# Altium PCB PCB.PcbDoc
Units mil, origin at the board's own origin, x right, y up, seen from the top; angles counter-clockwise.
Board outline 3385.83 x 3385.83 mil, 2 copper layers (Top Layer, Bottom Layer); 48 components, 70 nets, 266 pads, 0 vias.
Unrouted connection lines stored in the file: 172.
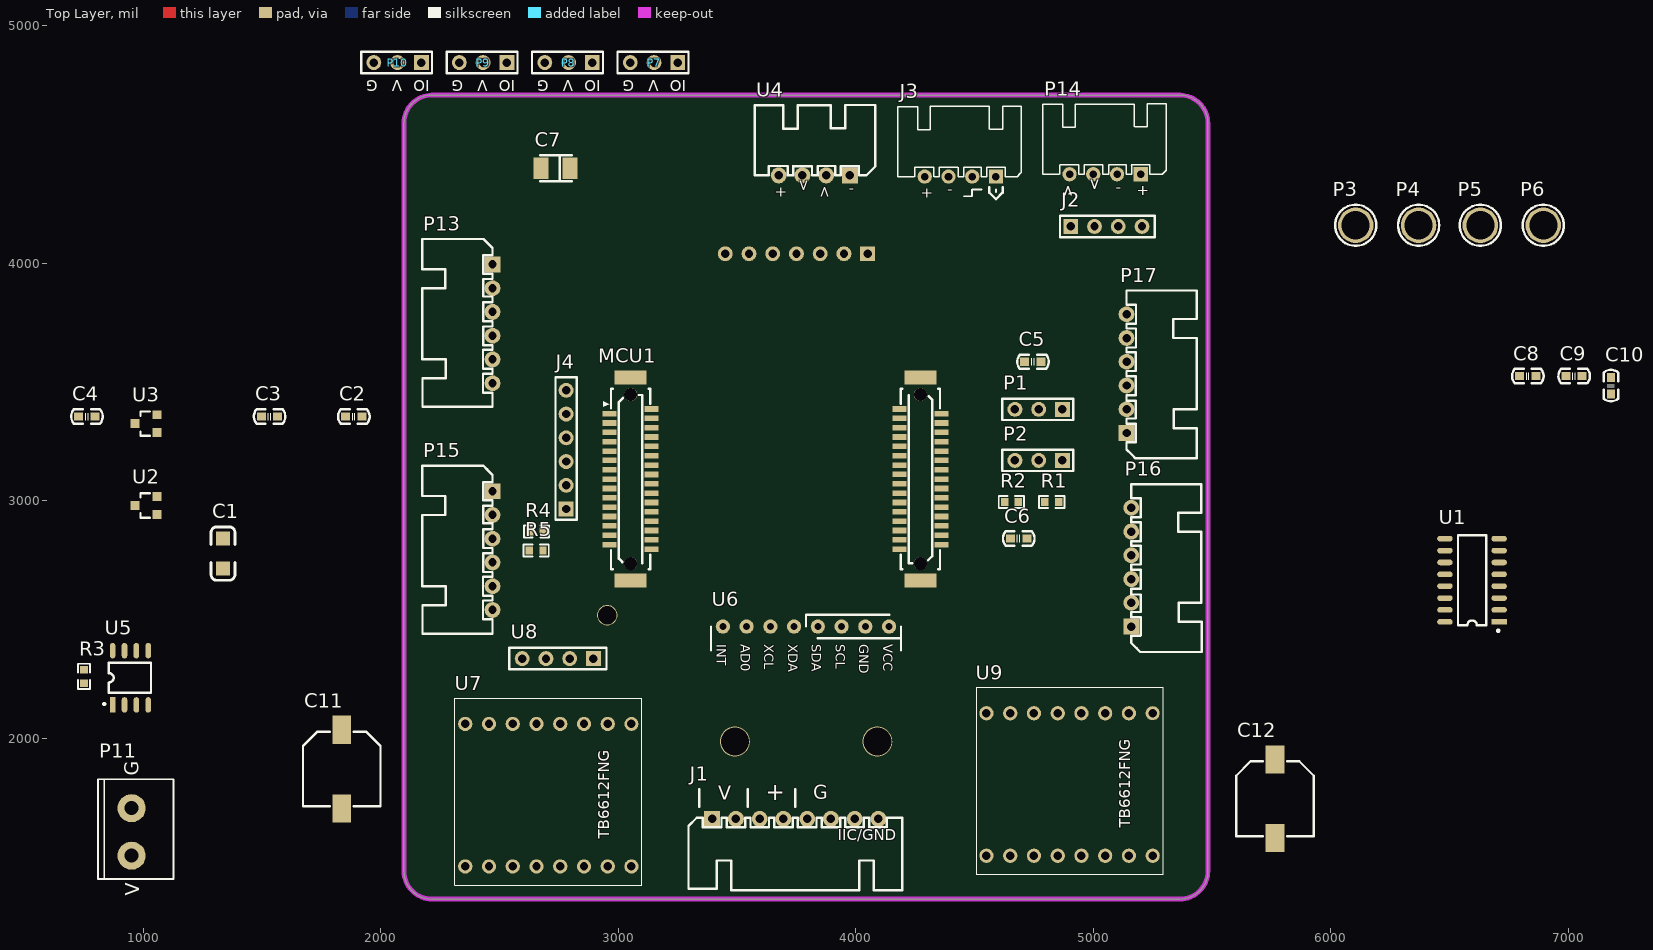
[diagram p0: Top Layer view]
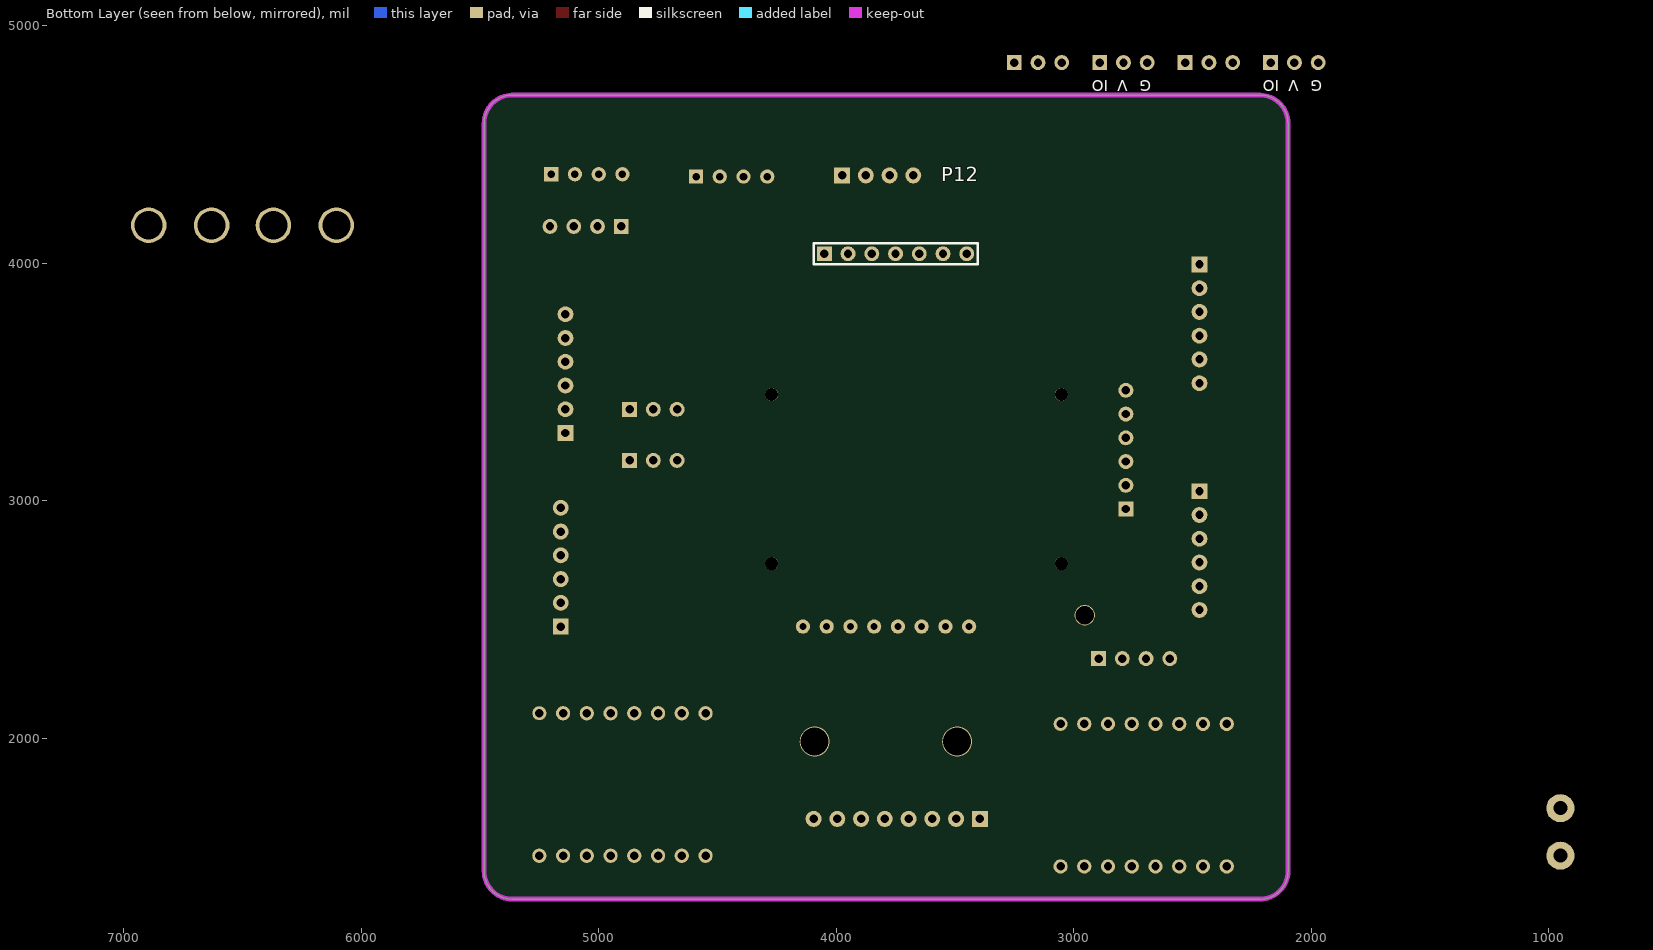
[diagram p1: Bottom Layer view, seen from below]

## Layer stack, top to bottom
Top Solder: solder mask 0.4, Solder Resist, Dk 3.5
Top Layer: signal copper 1.4
Dielectric 1: dielectric 12.6, FR-4, Dk 4.8
Bottom Layer: signal copper 1.4
Bottom Solder: solder mask 0.4, Solder Resist, Dk 3.5

## Board outline
2096.89,1440.39 2096.89,4590 cw(c2215,4590) 2215,4708.11 5364.61,4708.11 cw(c5364.61,4590) 5482.72,4590 5482.72,1440.39 cw(c5364.61,1440.39) 5364.61,1322.28 2215,1322.28 cw(c2215,1440.39)

## Design rules (kind name [scope] priority, off if disabled: settings)
Clearance [All] p1: gap=10 ignorepadtopadclearanceinfootprint=FALSE except(0: Arc-Hole Track-Hole SMDPad-Hole THPad-Hole Via-Hole Fill-Hole Poly-Hole Region-Hole Text-Hole)
PolygonConnect [All] p1: connectstyle=Relief reliefconductorwidth=10 reliefentries=4 polygonreliefangle="90 Angle" airgapwidth=10
RoutingVias [All] p1: holewidth=28 width=50 viastyle="Through Hole" minholewidth=28 minwidth=50 maxholewidth=28 maxwidth=50
SolderMaskExpansion [All] p1: expansion=4 istentingtop=FALSE
Width [All] p1: maxlimit=10 minlimit=10 preferedwidth=10
30 further rules are at their usual default settings.

## Components (designator, comment, footprint, x,y, rotation, side; value= is the part's Value field where it differs from the comment)
C1 "10UF" CAP_1206 1334,2715 r90 top
C2 "100NF" CAP_0603 1851.06,3354.6 r0 top
C3 "100NF" CAP_0603 1496.06,3354.6 r0 top
C4 "100NF" CAP_0603 727.06,3354.6 r0 top
C5 "100NF" CAP_0603 4711,3585 r0 top
C6 "100NF" CAP_0603 4650.98,2840.92 r0 top
C7 "100UF" CAP_3528_B 2735,4400 r0 top
C8 "100NF" CAP_0603 6795,3525 r0 top
C9 "100NF" CAP_0603 6990,3525 r0 top
C10 "100NF" CAP_0603 7180,3450 r90 top
C11 "220UF" CAPE_E 1835,1870 r90 top
C12 "220UF" CAPE_E 5765,1745 r90 top
J1 "Brid_妄想" Brid 3395,1660 r0 top
J2 "IIC" "Header 2.54X4" 5055,4155 r0 top
J3 "IIC" IIC-XH2.54-4PIN 4590,4365 r180 top
J4 "SPI" "Header 2.54X6" 2780,3215 r90 top
MCU1 "Caven_V3.14" Caven_3.14 2952.99,2518.07 r0 top
P1 "Header 3" "Header 2.54X3" 4770,3385 r180 top
P2 "Header 3" "Header 2.54X3" 4770,3170 r180 top
P3 "铜柱6m" M3x6_L-Type 6105,4160 r0 top
P4 "铜柱6m" M3x6_L-Type 6370,4160 r0 top
P5 "铜柱6m" M3x6_L-Type 6630,4160 r0 top
P6 "铜柱6m" M3x6_L-Type 6895,4160 r0 top
P7 "Header3" PWM_Steer-F 3250,4845 r180 top
P8 "Header3" PWM_Steer-B 2890,4845 r180 top
P9 "Header3" PWM_Steer-F 2530,4845 r180 top
P10 "Header3" PWM_Steer-B 2170,4845 r180 top
P11 "OUT" PIN-2_5.08 950,1505 r90 top
P12 "Header 7" "Header H 2.54X7" 3750,4040 r180 bottom
P13 "Header 6" XH2.54-WI-6P 2470,3745 r270 top
P14 "UART" UART 5200,4375 r180 top
P15 "Header 6" XH2.54-WI-6P 2470,2790 r270 top
P16 "Header 6" XH2.54-WI-6P 5160,2720 r90 top
P17 "Header 6" XH2.54-WI-6P 5140,3535 r90 top
R1 "?k" RESC_0603_2 4825,2995 r0 top
R2 "1K" RESC_0603_2 4655,2995 r0 top
R3 "1K" RESC_0603_2 750,2260 r270 top
R4 "1K" RESC_0603_2 2655,2870 r0 top
R5 "1K" RESC_0603_2 2653.74,2790 r180 top
U1 "74HC595" SOIC_16 6595,2665 r90 top
U2 "662K-3.3" SOT23_3 1011.06,2979.93 r0 top
U3 "662K-3.3" SOT23_3 1011.06,3324.6 r0 top
U4 "HC-SR04" Ultrasonic 3975,4370 r180 top
U5 "CAN-SN65HVD233D" SOIC_8 945,2254.17 r0 top
U6 "MPU_6050" MPU-G521 4090.39,1985.75 r180 top
U7 "TB6612FNG_Mod" TB6612FNG 2355,1460 r90 top
U8 "Blue_Tooth 2.0/5.0" "Header F 2.54X4" 2745,2335 r180 top
U9 "TB6612FNG_Mod" TB6612FNG 4550,1505 r90 top

## Footprints (in the part's own frame and the unit in brackets; to place one, negate y for a bottom-side part, rotate by r counter-clockwise, add the part's x,y. Pads: shape width x height; smd on the part's side, far side on the other; paste and mask are expansions set on the pad)
Brid [mm]
  rect 1.7x1.7 hole 0.9: 1(0,0)
  round 1.7 hole 0.9: 2(2.54,0) 3(5.08,0) 4(7.62,0) 5(10.16,0) 6(12.7,0) 7(15.24,0) 8(17.78,0)
  silkscreen extent -2.54,-7.62 20.32,3.17, body extent -2.5,-7.35 20.28,0.35, height 5.75
CAP_0603 [mil]
  rect 38x35 smd: 1(0,0) 2(69,0)
  silkscreen extent -31,-30 101,30, body extent 4,-16 67,16, height 12
CAP_1206 [mil]
  rect 60x60 smd: 1(0,-1) 2(126,-1)
  silkscreen extent -50,-51 175,49, body extent 0,-32 126,31, height 39
CAP_3528_B [mm]
  rect 1.6x2.3 smd: 1(1.55,0) 2(-1.55,0)
  silkscreen extent -1.65,-1.4 1.75,1.4, body extent -1.75,-1.4 1.75,1.4, height 1.9
CAPE_E [mm] "8X8.3X6.2"
  rect 3x2 smd: 1(4.2,0) 2(-4.2,0)
  silkscreen extent -4,-4.15 4,4.15, body extent -4.5,-4.15 4.5,4.15, height 6.2
Caven_3.14 [mm]
  round 2.184 hole 1.981: 0(0,0)
  rect 3.4x1.5 smd: 0(2.5,3.7) 0(2.5,25.4) 0(33.5,3.7) 0(33.5,25.4)
  rect 1.5x0.6 smd: 1(0.25,21.55) 2(0.25,20.55) 3(0.25,19.55) 4(0.25,18.55) 5(0.25,17.55) 6(0.25,16.55) 7(0.25,15.55) 8(0.25,14.55) 9(0.25,13.55) 10(0.25,12.55) 11(0.25,11.55) 12(0.25,10.55) 13(0.25,9.55) 14(0.25,8.55) 15(0.25,7.55) 16(4.75,7.05) 17(4.75,8.05) 18(4.75,9.05) 19(4.75,10.05) 20(4.75,11.05) 21(4.75,12.05) 22(4.75,13.05) 23(4.75,14.05) 24(4.75,15.05) 25(4.75,16.05) 26(4.75,17.05) 27(4.75,18.05) 28(4.75,19.05) 29(4.75,20.05) 30(4.75,21.05) 31(4.75,22.05) 32(31.25,22.05) 33(31.25,21.05) 34(31.25,20.05) 35(31.25,19.05) 36(31.25,18.05) 37(31.25,17.05) 38(31.25,16.05) 39(31.25,15.05) 40(31.25,14.05) 41(31.25,13.05) 42(31.25,12.05) 43(31.25,11.05) 44(31.25,10.05) 45(31.25,9.05) 46(31.25,8.05) 47(31.25,7.05) 48(35.75,7.55) 49(35.75,8.55) 50(35.75,9.55) 51(35.75,10.55) 52(35.75,11.55) 53(35.75,12.55) 54(35.75,13.55) 55(35.75,14.55) 56(35.75,15.55) 57(35.75,16.55) 58(35.75,17.55) 59(35.75,18.55) 60(35.75,19.55) 61(35.75,20.55) 62(35.75,21.55)
  round 1.4 hole 1.4 unplated: ""(2.5,5.5) ""(2.5,23.6) ""(33.5,5.5) ""(33.5,23.6)
  silkscreen extent -0.4,4.9 35.6,24.2, body extent -0.3,3.98 36.3,25.12, height 3.35
"Header 2.54X3" [mm]
  rect 1.6x1.6 hole 0.9: 1(-2.54,0)
  round 1.6 hole 0.9: 2(0,0) 3(2.54,0)
  silkscreen extent -3.68,-1.14 3.9,1.14, body extent -3.68,-1.23 3.94,1.27, height 8.3
"Header 2.54X4" [mm]
  rect 1.6x1.6 hole 0.9: 1(-3.81,0)
  round 1.6 hole 0.9: 2(-1.27,0) 3(1.27,0) 4(3.81,0)
  silkscreen extent -4.95,-1.14 5.19,1.14, body extent -4.95,-1.23 5.21,1.27, height 8.3
"Header 2.54X6" [mm]
  rect 1.6x1.6 hole 0.9: 1(-6.35,0)
  round 1.6 hole 0.9: 2(-3.81,0) 3(-1.27,0) 4(1.27,0) 5(3.81,0) 6(6.35,0)
  silkscreen extent -7.49,-1.14 7.75,1.14, body extent -7.49,-1.23 7.75,1.27, height 8.3
"Header F 2.54X4" [mm]
  rect 1.6x1.6 hole 0.9: 1(-3.81,0)
  round 1.6 hole 0.9: 2(-1.27,0) 3(1.27,0) 4(3.81,0)
  silkscreen extent -5.2,-1.14 5.19,1.14, body extent -5.21,-1.25 5.21,1.25, height 8.6
"Header H 2.54X7" [mm]
  rect 1.6x1.6 hole 0.9: 1(-7.62,0)
  round 1.6 hole 0.9: 2(-5.08,0) 3(-2.54,0) 4(0,0) 5(2.54,0) 6(5.08,0) 7(7.62,0)
  silkscreen extent -8.76,-1.14 8.8,1.14, body extent -8.89,-1.26 8.89,7.01, height 4.43
IIC-XH2.54-4PIN [mil] "-XH2.54-4PIN-"
  rect 60x60 hole 32: 1(0,0)
  round 60 hole 32: 2(100,0) 3(200,0) 4(300,0)
  silkscreen extent -107,-296 413,96, body extent -105,-300 415,11, height 236
M3x6_L-Type [mm] "M3铜柱，长：6mm"
  round 3.8 hole 3: 1(0,0)
  silkscreen extent -2.2,-2.2 2.2,2.2, body extent -2.7,-2.35 2.7,2.35, height 8.55
MPU-G521 [mil]
  round 125.98 hole 118.11: 0(0,0) 0(600,0)
  round 60 hole 30: 1(-49.61,-484.25) 2(50.39,-484.25) 3(150.39,-484.25) 4(250.39,-484.25) 5(350.39,-484.25) 6(450.39,-484.25) 7(550.39,-484.25) 8(650.39,-484.25)
  silkscreen extent -100,-534 700,-384, body extent -106,-534 706,98, height 652
PIN-2_5.08 [mm]
  round 3 hole 1.5: 1(0,0) 2(5.08,0)
  silkscreen extent -2.49,-4.47 8.18,3.61, body extent -2.48,-4.58 8.12,3.02, height 10
PWM_Steer-B [mm]
  rect 1.6x1.6 hole 0.9: 1(0,0)
  round 1.6 hole 0.9: 2(2.54,0) 3(5.08,0)
  silkscreen extent -1.14,-1.14 6.44,1.14, body extent -1.27,-7.01 6.35,1.26, height 4.43
PWM_Steer-F [mm]
  rect 1.6x1.6 hole 0.9: 1(0,0)
  round 1.6 hole 0.9: 2(2.54,0) 3(5.08,0)
  silkscreen extent -1.14,-1.14 6.44,1.14, body extent -1.27,-7.01 6.35,1.26, height 4.43
RESC_0603_2 [mm]
  rect 0.8x0.85 smd: 1(-0.73,0) 2(0.73,0)
  silkscreen extent -1.35,-0.65 1.35,0.65, body extent -0.8,-0.4 0.8,0.4, height 0.38
SOIC_8 [mm] "58mm"
  rect 0.6x1.65 smd: 1(-1.905,-2.9)
  oval 0.6x1.65 smd: 2(-0.635,-2.9) 3(0.635,-2.9) 4(1.905,-2.9) 5(1.905,2.9) 6(0.635,2.9) 7(-0.635,2.9) 8(-1.905,2.9)
  silkscreen extent -2.9,-2.9 2.2,1.6, body extent -2.5,-3.01 2.5,3.01, height 1.75
SOIC_16 [mm]
  rect 0.6x1.65 smd: 1(-4.445,-2.9)
  oval 0.6x1.65 smd: 2(-3.175,-2.9) 3(-1.905,-2.9) 4(-0.635,-2.9) 5(0.635,-2.9) 6(1.905,-2.9) 7(3.175,-2.9) 8(4.445,-2.9) 9(4.445,2.9) 10(3.175,2.9) 11(1.905,2.9) 12(0.635,2.9) 13(-0.635,2.9) 14(-1.905,2.9) 15(-3.175,2.9) 16(-4.445,2.9)
  silkscreen extent -5.5,-2.9 4.8,1.5, body extent -5.15,-3.03 5.15,3.03, height 1.95
SOT23_3 [mm]
  rect 0.95x0.95 smd: 1(1.175,-0.95) 2(1.175,0.95) 3(-1.175,0)
  silkscreen extent -0.6,-1.3 0.4,1.3, body extent -1.34,-1.5 1.3,1.5, height 1.08
TB6612FNG [mil] "MODE"
  round 60 hole 35.43: 1(0,0) 2(0,-100) 3(0,-200) 4(0,-300) 5(0,-400) 6(0,-500) 7(0,-600) 8(0,-700) 10(600,-600) 11(600,-500) 12(600,-400) 13(600,-300) 14(600,-200) 15(600,-100) 16(600,0)
  round 59.06 hole 35.43: 9(600,-700)
  silkscreen extent -79,-744 709,44, body extent -78,-755 712,55, height 547
UART [mil] "-XH2.54-4PIN"
  rect 60x60 hole 32: 1(0,0)
  round 60 hole 32: 2(100,0) 3(200,0) 4(300,0)
  silkscreen extent -107,-296 413,0, body extent -105,-300 415,11, height 236
Ultrasonic [mm] "-XH2.54-4PIN"
  round 1.7 hole 0.9: 1(7.62,0) 2(5.08,0) 3(2.54,0)
  rect 1.7x1.7 hole 0.9: 4(0,0)
  silkscreen extent -2.72,-7.53 10.16,0, body extent -2.5,-7.35 10.12,0.35, height 5.73
XH2.54-WI-6P [mm] "接插件，6P"
  rect 1.7x1.7 hole 0.9: 1(-6.35,0)
  round 1.7 hole 0.9: 2(-3.81,0) 3(-1.27,0) 4(1.27,0) 5(3.81,0) 6(6.35,0)
  silkscreen extent -9.07,-7.53 8.89,0, body extent -8.85,-7.35 8.85,0.35, height 5.75

## Part data
C1 C2 C3 C4 C5 C6 C8 C9 C10: library part CAP, "CAP  12~50V"
C7: library part CAP_TA, "CAP  6~12V  钽电容"
C11 C12: library part CAP_BIG, "CAP 12V ~ 50V   电解电容"
J1: library part Brid, "Brid"
J2 J3 J4: "Heard"
MCU1: "MCU_STM32F103RE"
P1 P2: "Header, 3-Pin", LatestRevisionDate=17-Jul-2002, LatestRevisionNote="Re-released for DXP Platform.", Publisher="Altium Limited"
P3 P4 P5 P6: library part Pillar, "IN-OUT"
P7 P8 P9 P10: library part PWM_D, "Header"
P11: library part "IN _2PIN", "Header"
P12: "Header, 7-Pin", LatestRevisionDate=17-Jul-2002, LatestRevisionNote="Re-released for DXP Platform.", Publisher="Altium Limited"
P13 P15 P16 P17: "Header, 6-Pin", LatestRevisionDate=17-Jul-2002, LatestRevisionNote="Re-released for DXP Platform.", Publisher="Altium Limited"
P14: "Header"
R1 R2 R3 R4 R5: library part RES, "RES 贴片"
U1: "IC"
U2 U3: library part 662K, "DC-DC"
U4: library part Ultrasonic, "Mode"
U5: library part CAN, "CAN"
U6 U7 U9: "MODE"
U8: library part HC-02/06, "MODE"

## Nets (pads, with @x,y where several pads share a name; then routed paths per layer and width w, separated by ;. In a path a pad name is that pad's centre, name@x,y a point inside that pad or via, vN(x,y) a via of type N, cw(c..) or ccw(c..) an arc to the next point about the centre after c; other vN are vias at no path point)
3V3: C2.2 C3.2 P13.5 P15.5 R3.2 U1.10 U1.16 U2.2 U5.3 U7.2 U7.13
3V3-2: C4.2 P16.5 P17.5 U3.2 U9.2 U9.13
+5: C1.1 C7.1 C8.2 C9.2 C10.2 J1.3 J1.4 J2.4 J3.4 J4.1 MCU1.1 MCU1.31 P7.2 P8.2 P9.2 P10.2 P12.6 P14.1 U2.3 U3.3 U4.1 U6.1 U8.1
AD/DA1: C5.2 MCU1.33 P1.2
AD/DA2: C6.2 MCU1.34 R2.2
CAN_H: P11.1 U5.7
CAN_L: P11.2 U5.6
CAN_RX: MCU1.14 R5.1
CAN_TX: MCU1.13 R4.1
DATA: MCU1.55 U1.14
DIR: MCU1.37
Echo: MCU1.24 U4.3
Find_1: MCU1.39 P12.1
Find_2: MCU1.40 P12.2
Find_3: MCU1.22 P12.3
Find_4: MCU1.21 P12.4
Find_5: MCU1.52 P12.5
GND: C1.2 C2.1 C3.1 C4.1 C5.1 C6.1 C7.2 C8.1 C9.1 C10.1 C11.2 C12.2 J1.5 J1.6 J2.3 J3.3 J4.2 MCU1.0 MCU1.17 MCU1.49 P1.3 P2.3 P3.1 P4.1 P5.1 P7.3 P8.3 P9.3 P10.3 P12.7 P13.2 P14.2 P15.2 P16.2 P17.2 U1.8 U1.13 U2.1 U3.1 U4.4 U5.2 U6.2 U6.7 U6.8 U7.3 U7.8 U7.9 U8.2 U9.3 U9.8 U9.9
M1_D1: P13.1 U7.6
M1_D2: P13.6 U7.7
M1_EA: MCU1.23 P13.3
M1_EB: MCU1.18 P13.4
M1_N1: U1.15 U7.12
M1_N2: U1.1 U7.11
M2_D1: P15.1 U7.4
M2_D2: P15.6 U7.5
M2_EA: MCU1.11 P15.3
M2_EB: MCU1.12 P15.4
M2_N1: U1.2 U7.15
M2_N2: U1.3 U7.14
M3_D1: P16.1 U9.4
M3_D2: P16.6 U9.5
M3_EA: MCU1.36 P16.3
M3_EB: MCU1.35 P16.4
M3_N1: U1.4 U9.15
M3_N2: U1.5 U9.14
M4_D1: P17.1 U9.6
M4_D2: P17.6 U9.7
M4_EA: MCU1.58 P17.3
M4_EB: MCU1.59 P17.4
M4_N1: U1.6 U9.12
M4_N2: U1.7 U9.11
MISO: J4.4 MCU1.5
MOSI: J4.3 MCU1.6
NetP2_2: P2.2 R1.1 R2.1
NetR3_1: R3.1 U5.8
NetR4_2: R4.2 U5.1
NetR5_2: R5.2 U5.4
NSS2_2: J4.6 MCU1.3
O/F: MCU1.54 U1.12
SCK: J4.5 MCU1.4
SCL: J1.7 J2.2 J3.2 MCU1.41 U6.3
SDA: J1.8 J2.1 J3.1 MCU1.42 U6.4
SLK: MCU1.53 U1.11
Steer1: MCU1.26 P7.1
Steer2: MCU1.27 P8.1
Steer3: MCU1.28 P9.1
Steer4: MCU1.29 P10.1
STEP: MCU1.38
TIM8_CH1: MCU1.7 U7.10
TIM8_CH2: MCU1.8 U7.16
TIM8_CH3: MCU1.9 U9.16
TIM8_CH4: MCU1.10 U9.10
Trig: MCU1.25 U4.2
UART2_RX: MCU1.60 P14.3
UART2_TX: MCU1.61 P14.4
UART3_RX: MCU1.20 U8.3
UART3_TX: MCU1.19 U8.4
VCC: C11.1 C12.1 J1.1 J1.2 P6.1 U7.1 U9.1
VDD: MCU1.32 MCU1.62 P1.1 P2.1 R1.2
pads on no net: MCU1. MCU1.2 MCU1.15 MCU1.16 MCU1.30 MCU1.43 MCU1.44 MCU1.45 MCU1.46 MCU1.47 MCU1.48 MCU1.50 MCU1.51 MCU1.56 MCU1.57 U1.9 U5.5 U6.0 U6.5 U6.6

## Keep-outs
Keep-Out Layer:
  the board outline again, w20

## Text inside footprints (layer, text, board x,y; h text height)
J1: Top Overlay "V" at 3420,1720 h100; Top Overlay "+" at 3620.11,1715.11 h120; Top Overlay "G" at 3820.09,1720.93 h100; Top Overlay "IIC/GND" at 3923.15,1552.98 h80
J3: Top Overlay "+" at 4273,4330.77 h80 r180; Top Overlay "-" at 4408,4272.77 h80
P7: Top Overlay "G" at 3067,4786.59 h80 r180; Top Overlay "V" at 3169,4787.26 h80 r180; Top Overlay "IO" at 3285.93,4786.59 h80 r180
P8: Top Overlay "G" at 2707,4786.59 h80 r180; Top Overlay "IO" at 2925.93,4786.59 h80 r180; Top Overlay "V" at 2809,4787.26 h80 r180; Bottom Overlay "IO" at 2854.08,4786.99 h80 r180; Bottom Overlay "V" at 2771,4787.26 h80 r180; Bottom Overlay "G" at 2673,4786.59 h80 r180
P9: Top Overlay "G" at 2347,4786.59 h80 r180; Top Overlay "V" at 2449,4787.26 h80 r180; Top Overlay "IO" at 2565.93,4786.59 h80 r180
P10: Top Overlay "G" at 1987,4786.59 h80 r180; Top Overlay "IO" at 2205.93,4786.59 h80 r180; Top Overlay "V" at 2089,4787.26 h80 r180; Bottom Overlay "IO" at 2134.08,4786.99 h80 r180; Bottom Overlay "V" at 2051,4787.26 h80 r180; Bottom Overlay "G" at 1953,4786.59 h80 r180
P11: Top Overlay "V" at 1002.31,1336 h100 r90; Top Overlay "G" at 1000.74,1842 h100 r90
P14: Top Overlay "<" at 4929.89,4331 h80 r90; Top Overlay "+" at 5183,4340.77 h80 r180; Top Overlay "<" at 4970.11,4306 h80 r270; Top Overlay "-" at 5118,4282.77 h80; Top Overlay "<" at 4929.89,4331 h80 r90; Top Overlay "+" at 5183,4340.77 h80 r180; Top Overlay "<" at 4970.11,4306 h80 r270; Top Overlay "-" at 5118,4282.77 h80
U4: Top Overlay "<" at 3904.89,4326 h80 r90; Top Overlay "<" at 3745.11,4301 h80 r270; Top Overlay "+" at 3658,4335.77 h80 r180; Top Overlay "-" at 3993,4277.77 h80
U6: Top Overlay "AD0" at 3515,2395 h39.37 r270; Top Overlay "XCL" at 3615,2395 h39.37 r270; Top Overlay "XDA" at 3715,2395 h39.37 r270; Top Overlay "VCC" at 4115,2395 h39.37 r270; Top Overlay "GND" at 4015,2395 h39.37 r270; Top Overlay "SCL" at 3915,2395 h39.37 r270; Top Overlay "SDA" at 3815,2395 h39.37 r270; Top Overlay "INT" at 3415,2395 h39.37 r270
U7: Top Overlay "TB6612FNG" at 2977.59,1577 h80 r90
U9: Top Overlay "TB6612FNG" at 5172.59,1622 h80 r90